# KiCad board AppleII.kicad_pcb (continued)
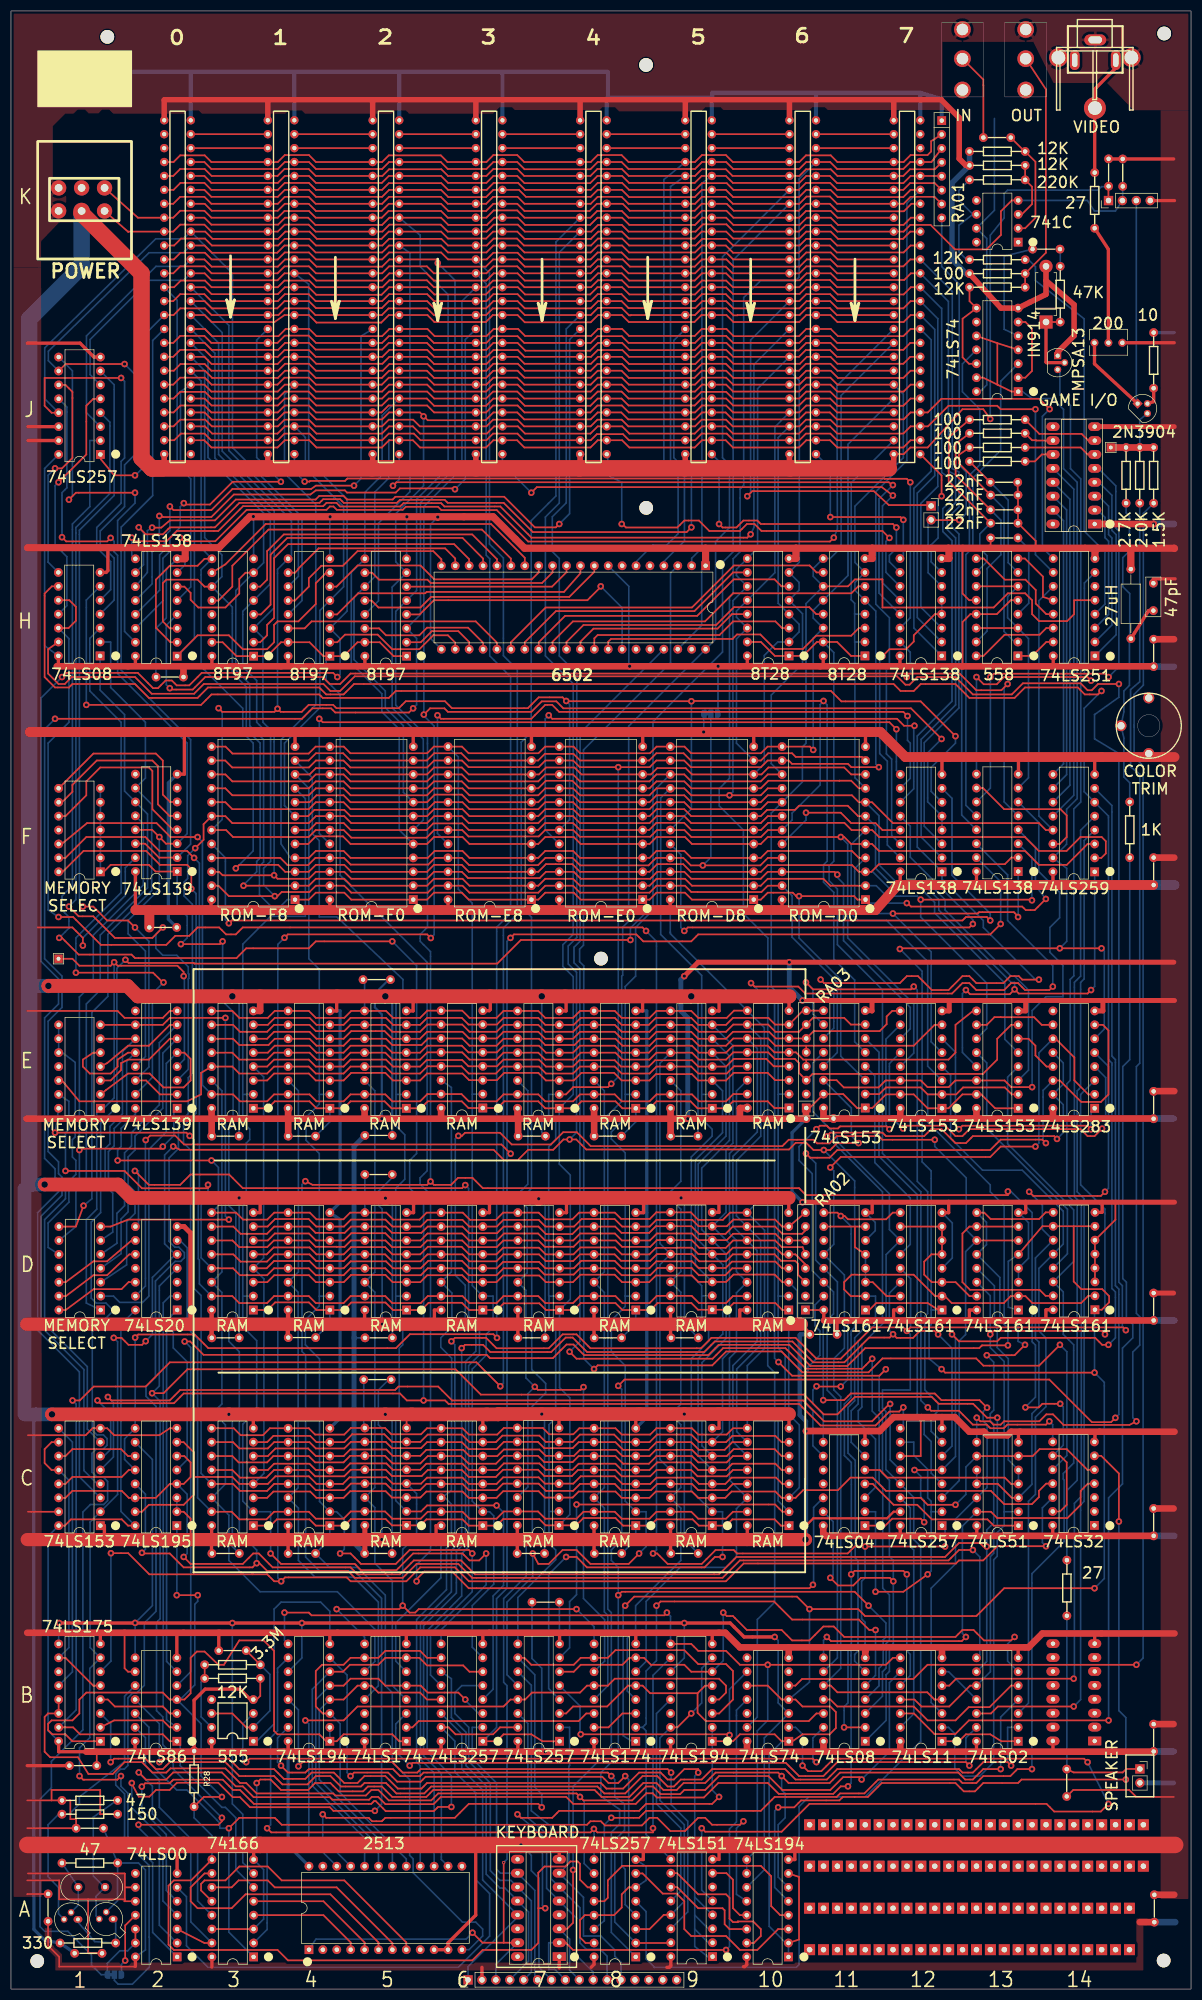
[diagram p0: board, top side]
## Routing (per net, layer and track width the routed paths; a pad name or vN(x,y) marks a point on that pad's centre or on a via; arc(x,y) is an arc through that point) (continued)
SS-PG2_~{PG1}: length 425.7
  Top w0.3: H1.9 7.47,256.11 6.15,254.79 6.15,239.55 8.05,237.64 10.59,237.64 11.23,238.28 22.66,238.28 25.2,235.74 34.09,235.74 35.99,237.64 56.31,237.64 57.58,236.37 60.76,236.37 62.66,238.28 161.21,238.28 162.48,237.01 164.9,237.01 166.17,238.28 172.52,238.28 175.06,235.74 183.31,235.74 185.22,237.64 194.87,237.64 196.14,236.37 198.55,236.37 v1(199.19,237.01) ; v1(166.8,85.24) 166.17,85.88 160.96,85.88 159.69,84.61 C11.1 ; C12.5 v1(165.02,94.77) ; v1(200.46,117.63) 199.31,117.63 198.04,118.9 180.77,118.9 180.14,118.26 173.15,118.26 v1(171.88,119.53)
  Bottom w0.3: v1(199.19,237.01) 196.01,233.83 196.01,218.62 F14.6 200.46,214.17 200.46,169.7 201.09,169.06 201.09,127.91 201.73,127.28 201.73,118.9 v1(200.46,117.63) ; v1(165.02,94.77) 166.17,93.62 166.17,89.81 166.8,89.18 v1(166.8,85.24) ; C12.5 172.52,97.23 172.52,118.9 v1(171.88,119.53)
USER-1: length 214.4
  Top w0.3: SLOT0.39 29.64,308.18 30.91,309.45 35.33,309.45 36.6,308.18 SLOT1.39 48.74,308.18 50.01,309.45 54.38,309.45 55.65,308.18 SLOT2.39 67.79,308.18 69.06,309.45 76.02,309.45 77.29,308.18 SLOT3.39 86.84,308.18 88.11,309.45 92.53,309.45 93.8,308.18 SLOT4.39 105.89,308.18 107.16,309.45 111.53,309.45 112.8,308.18 SLOT5.39 124.94,308.18 126.21,309.45 130.58,309.45 131.85,308.18 SLOT6.39 143.99,308.18 145.26,309.45 149.63,309.45 150.9,308.18 SLOT7.39 ; v1(134.49,272.57) 135.41,273.48 157.61,273.48 160.35,270.94 167.92,270.94 JP-User1.1
  Bottom w0.3: SLOT6.39 135.1,301.09 135.1,273.18 v1(134.49,272.57)
VA: length 311.4
  Top w0.3: v1(168.73,155.07) 159.18,155.07 158.52,155.73 150.85,155.73 149.53,154.41 147.24,154.41 146.58,155.07 142.06,155.07 140.89,153.9 105.89,153.9 103.35,156.44 100.86,156.44 98.63,154.2 91.47,154.2 89.33,156.34 82.93,156.34 82.37,155.78 v1(81.71,155.78) ; D13.11 D13.6
  Bottom w0.3: v1(168.73,155.07) 168.73,153.85 174.47,148.11 174.47,138.61 D13.11 174.37,134.65 174.37,119.51 173.2,118.34 173.2,92.84 C12.3 ; v1(81.71,155.78) 81.15,155.22 81.15,130.33 82.98,128.5 82.98,122.1 84.91,120.17 84.91,116.46 83.03,114.58 83.03,81.61 81.36,79.93 81.36,72.31 75.36,66.32 75.36,42.6 78.61,39.34 78.61,23.65 A5.14
VB: length 228.9
  Top w0.3: v1(169.34,119.53) 168.71,120.17 166.04,120.17 164.77,118.9 161.77,118.9 v1(161.11,119.56) 160.5,118.95 156.74,118.95 152.22,114.43 146.53,114.43 142.72,118.24 128.55,118.24 126.62,116.31 105.23,116.31 102.59,118.95 101.32,118.95 98.68,116.31 87.55,116.31 86.23,117.63 82.93,117.63 v1(82.32,117.02)
  Bottom w0.3: A5.15 77.29,39.45 74.8,41.94 74.8,66.88 80.44,72.52 80.44,80.09 82.32,81.97 v1(82.32,117.02) ; v1(161.11,119.56) 160.45,120.22 160.45,127.08 D12.14 ; C12.6 171.88,99.14 171.88,116.99 v1(169.34,119.53)
VC: length 757.8
  Top w0.3: v1(80.44,118.26) 81.08,118.9 86.79,118.9 88.7,116.99 98.22,116.99 100.76,119.53 103.3,119.53 105.84,116.99 126.03,116.99 127.94,118.9 143.31,118.9 147.12,115.09 151.56,115.09 157.28,120.8 162.99,120.8 v1(163.63,120.17) 164.26,120.8 203.12,120.8 v1(203.63,120.29) ; v1(202.36,238.28) 198.55,238.28 197.41,237.13 196.65,237.13 195.38,238.4 184.84,238.4 182.8,236.37 175.69,236.37 172.52,239.55 165.53,239.55 164.13,238.15 163.37,238.15 161.85,239.67 62.79,239.67 60.12,237.01 58.34,237.01 57.07,238.28 35.23,238.28 33.45,236.5 25.7,236.5 22.66,239.55 11.1,239.55 9.83,238.28 8.69,238.28 6.78,240.18 6.78,244.63 H1.13
  Bottom w0.3: A5.16 74.75,39.75 74.73,39.78 74.73,40.79 74.09,41.43 74.09,67.46 79.55,72.92 79.55,80.54 81.08,82.07 81.08,117.63 v1(80.44,118.26) ; v1(202.36,238.28) 202.36,235.86 197.99,232.74 197.92,232.69 197.92,228.24 197.99,228.22 202.36,225.58 202.36,129.06 203,128.42 203,120.93 v1(203.63,120.29) ; A8.5 116,14.15 116,5.49 117.53,3.96 143.43,3.96 143.94,4.47 143.94,33.3 145.72,35.08 156.01,35.08 166.17,45.24 166.17,80.8 164.9,82.07 164.9,89.76 C12.13 159.82,94.84 159.82,105.44 159.18,106.07 159.18,109.37 164.26,109.37 164.26,119.53 v1(163.63,120.17) 164.31,120.85 164.31,129.72 D12.13
~{7M}: length 212.2
  Top w0.3: v1(155.37,38.25) 154.94,38.68 151.99,38.68 149.66,36.35 140.89,36.35 138.35,38.89 129.34,38.89 126.8,36.35 122.99,36.35 122.22,35.59 118.67,35.59 117.27,36.98 116,36.98 113.46,34.44 104.57,34.44 v1(103.94,35.08) 103.3,35.71 78.03,35.71 76.76,34.44 69.01,34.44 67.11,36.35 65.84,36.35 64.82,35.33 59.23,35.33 58.85,35.71 44.88,35.71 42.98,37.62 41.83,37.62 39.17,40.28 29.13,40.28 28.37,39.52 25.83,39.52 23.93,41.43 20.75,41.43 18.59,39.27 14.15,39.27 12.24,42.32 7.16,42.32 6.15,43.33 6.15,49.68 6.78,50.32 B1.14 B1.13
  Bottom w0.3: v1(155.37,38.25) 160.45,43.33 160.45,55.96 B12.9 ; A8.10 104.7,22.91 104.7,34.32 v1(103.94,35.08)
~{C000-C7FF}: length 55.8
  Top w0.3: H12.4 168.76,251.03 164.9,247.17 164.9,246.02 163.5,244.63 160.45,244.63 v1(159.18,243.36)
  Bottom w0.3: H12.5 H12.4 ; v1(159.18,243.36) 158.67,242.85 158.67,225.58 160.07,224.18 160.07,208.89 F12.15
~{CAS}: length 363
  Top w0.3: F1.1 16.94,203.99 18.21,205.26 25.2,205.26 26.42,204.04 F2.1 ; v1(31.04,190.78) 38.15,190.78 v1(38.66,191.29) ; v1(175.69,80.16) 173.15,80.16 171.25,78.26 133.15,78.26 129.97,75.08 84.25,75.08 81.71,77.62 74.09,77.62 71.55,75.08 62.79,75.08 61.52,76.35 46.79,76.35 45.39,77.75 v1(44.88,77.75) 44.12,76.99 31.55,76.99 29.01,79.53 24.05,79.53 v1(23.93,79.65)
  Bottom w0.3: v1(31.04,190.78) 32.18,191.92 32.18,195.86 30.35,197.69 F2.1 ; v1(23.93,79.65) 24.56,80.29 24.56,90.35 C2.13 ; v1(38.66,191.29) 38.66,180.37 40.56,178.46 40.56,157.76 39.8,157 39.8,143.03 41.07,141.76 41.07,121.31 39.8,120.04 39.8,118.26 41.71,116.36 41.71,83.34 44.88,80.16 v1(44.88,77.75) ; v1(175.69,80.16) 176.96,78.89 176.96,61.09 B13.8 ; F1.7 F1.1
~{CCAS}: length 253.3
  Top w0.3: C3.15 40.31,87.15 41.7,85.76 46.67,85.76 48.06,87.15 C4.15 54.41,87.15 55.68,85.88 60.76,85.88 62.08,87.2 C5.15 68.33,87.2 69.65,85.88 74.85,85.88 76.12,87.15 C6.15 82.47,87.15 83.74,85.88 88.7,85.88 90.02,87.2 C7.15 96.27,87.2 97.59,85.88 103.3,85.88 104.57,87.15 C8.15 110.29,87.15 111.56,85.88 116.64,85.88 117.91,87.15 C9.15 124.26,87.15 125.53,85.88 130.61,85.88 131.88,87.15 C10.15 ; F1.14 9.45,203.99 13.26,207.8 24.69,207.8 27.23,205.26 32.18,205.26 32.94,204.5 v1(32.94,200.89)
  Bottom w0.3: C3.15 34.09,89.71 34.09,118.77 32.82,120.04 32.82,153.19 31.52,154.48 31.52,157.61 33.81,159.89 33.81,200.02 v1(32.94,200.89)
~{CLR_STB}: length 230.2
  Top w0.3: v1(135.18,183.67) 135.81,183.03 143.81,183.03 145.08,181.76 171.88,181.76 173.79,183.67 175.06,183.67 176.33,182.4 181.41,182.4 182.68,183.67 183.95,183.67 185.22,182.4 189.66,182.4 v1(190.3,183.03)
  Bottom w0.3: v1(135.18,183.67) 138.23,180.62 138.23,113.82 139.5,112.55 139.5,70.64 136.32,67.46 136.32,49.66 B10.13 ; F13.14 182.04,203.43 182.04,195.1 190.3,186.84 v1(190.3,183.03)
~{DCAS}: length 214.6
  Top w0.3: D3.15 40.44,126.52 41.71,125.25 46.79,125.25 48.06,126.52 D4.15 54.41,126.52 55.68,125.25 60.76,125.25 62.03,126.52 D5.15 68.38,126.52 69.65,125.25 74.85,125.25 76.12,126.52 D6.15 82.47,126.52 83.74,125.25 88.7,125.25 89.97,126.52 D7.15 96.32,126.52 97.59,125.25 102.67,125.25 103.94,126.52 D8.15 110.41,126.52 111.68,125.25 116.64,125.25 117.96,126.57 D9.15 124.33,126.57 125.65,125.25 130.61,125.25 131.88,126.52 D10.15 ; F1.13 9.96,206.53 13.77,210.34 24.56,210.34 27.1,207.8 32.18,207.8 v1(33.45,206.53)
  Bottom w0.3: v1(33.45,206.53) 34.42,205.56 34.42,144.06 34.22,143.87 34.22,133.32 34.42,133.13 34.42,128.75 D3.15
~{DEV-SEL-0}: length 61.5
  Bottom w0.3: H2.15 20.75,247.88 20.75,263.02 20.14,263.63 20.14,266.93 25.88,272.67 25.88,300.99 SLOT0.41
~{DEV-SEL-1}: length 76.6
  Top w0.3: v1(31.57,271.3) 31.83,271.04 36.35,271.04 40.51,275.21 v1(49.3,275.21)
  Bottom w0.3: v1(31.57,271.3) 30.91,270.64 30.91,266.88 29.03,265 29.03,262.51 27.76,261.24 27.76,253.47 H2.14 ; v1(49.3,275.21) 44.88,279.63 44.88,301.07 SLOT1.41
~{DEV-SEL-2}: length 88.3
  Top w0.3: v1(29.03,270.69) 29.69,270.03 36.6,270.03 40.46,273.89 54.84,273.89 55.7,274.5 v1(62.66,274.5)
  Bottom w0.3: v1(29.03,270.69) 29.03,266.27 28.02,265.25 28.02,262.71 27.15,261.85 27.15,255.4 H2.13 ; v1(62.66,274.5) 63.93,275.77 63.93,301.78 SLOT2.41
~{DEV-SEL-3}: length 104.6
  Top w0.3: v1(81.1,273.84) 80.59,273.99 71.04,273.99 70.28,273.23 61.39,273.23 60.99,273.63 55.7,273.63 54.69,272.87 40.72,272.87 36.6,268.76 27.81,268.76 v1(27.1,268.96)
  Bottom w0.3: H2.12 25.78,256.57 25.78,262.36 27.1,263.68 v1(27.1,268.96) ; SLOT3.41 82.98,301.17 82.98,275.72 v1(81.1,273.84)
~{DEV-SEL-4}: length 129
  Top w0.3: v1(100.15,267.49) 99.54,266.88 95.68,266.88 90.09,272.47 70.23,272.47 69.72,271.96 61.39,271.96 60.73,272.62 56.31,272.62 55.65,271.96 41.07,271.96 37.26,268.15 29.03,268.15 27.46,266.83 v1(25.78,266.83)
  Bottom w0.3: SLOT4.41 102.03,301.17 102.03,269.37 v1(100.15,267.49) ; H2.11 24.92,258.65 24.92,266.27 v1(25.78,266.83)
~{DEV-SEL-5}: length 155.1
  Top w0.3: v1(124.28,266.88) 123.42,266.01 95.33,266.01 89.99,271.35 79.78,271.35 79.22,271.91 71.04,271.91 70.48,271.35 60.78,271.35 60.12,272.01 57.02,272.01 56.36,271.35 41.73,271.35 37.26,266.88 29.03,266.88 27.76,265.61 24.61,265.61 v1(23.34,266.88)
  Bottom w0.3: H2.10 24.21,260.07 24.21,266.01 v1(23.34,266.88) ; SLOT5.41 121.08,301.02 121.08,279.58 124.28,276.38 v1(124.28,266.88)
~{DEV-SEL-6}: length 164
  Top w0.3: v1(135.1,265.61) 134.49,265 95.07,265 89.38,270.69 79.17,270.69 78.56,271.3 71.7,271.3 71.09,270.69 60.12,270.69 59.46,271.35 57.63,271.35 57.02,270.74 42.39,270.74 37.87,266.22 30.3,266.22 28.42,264.34 22.73,264.34 v1(22.07,265)
  Bottom w0.3: SLOT6.41 135.71,296.62 135.71,266.88 v1(135.1,265.61) ; v1(22.07,265) 22.07,261.8 H2.9
~{DEV-SEL-7}: length 175.6
  Top w0.3: v1(150.29,265) 149.58,264.29 94.46,264.29 88.72,270.03 78.61,270.03 78,270.64 72.11,270.64 71.55,270.08 59.51,270.08 58.9,270.69 58.24,270.69 57.63,270.08 43.05,270.08 37.31,264.34 31.57,264.34 v1(30.91,265)
  Bottom w0.3: v1(150.29,265) 150.95,266.57 150.85,292.33 150.85,292.71 SLOT7.41 ; H2.7 31.78,260.02 31.78,264.13 v1(30.91,265)
~{DMA}: length 499.2
  Top w0.3: v1(159.79,113.16) 158.62,111.99 142.67,111.99 v1(140.18,114.48) ; SLOT0.22 35.33,333.58 36.6,332.31 48.74,332.31 50.01,333.58 SLOT1.22 54.43,333.58 55.7,332.31 67.79,332.31 69.06,333.58 78.51,333.58 79.78,332.31 86.84,332.31 88.11,333.58 SLOT3.22 92.48,333.58 93.8,332.26 105.84,332.26 107.16,333.58 SLOT4.22 111.53,333.58 112.8,332.31 124.94,332.31 126.21,333.58 SLOT5.22 130.63,333.58 131.9,332.31 143.99,332.31 145.26,333.58 SLOT6.22 149.63,333.58 150.9,332.31 162.99,332.31 164.26,333.58 SLOT7.22 168.12,333.58 RA01.3 ; v1(149.66,75.08) 151.05,73.69 153.85,73.69 155.24,75.08 160.53,75.08 v1(161.16,74.45)
  Bottom w0.3: v1(149.66,75.08) 150.16,75.59 150.16,85.34 C11.13 ; v1(140.18,114.48) 139.47,115.19 139.47,181.08 138.25,182.3 138.25,191.9 133.78,196.37 133.78,211.61 129.36,216.03 129.36,219.18 131.24,221.06 131.24,254.13 131.9,254.79 131.9,261.14 133.17,262.41 133.17,273.89 133.83,274.55 133.83,308.84 136.93,311.94 143.33,311.94 143.94,312.55 143.94,330.48 SLOT6.22 ; v1(159.79,113.16) 158.57,111.94 158.57,105.64 159.18,105.03 159.18,94.16 160.45,92.89 160.45,78.97 161.16,78.26 v1(161.16,74.45) 161.16,63.07 160.45,62.36 160.45,57.99 159.84,57.38 159.84,49.05 B11.1
~{ECAS}: length 181.1
  Top w0.3: v1(34.09,210.34) 29.13,210.34 26.59,212.88 13.89,212.88 9.58,209.32 F1.12 ; E3.15 40.56,163.35 41.83,162.08 46.79,162.08 48.06,163.35 E4.15 54.53,163.35 55.8,162.08 60.76,162.08 62.03,163.35 E5.15 68.38,163.35 69.65,162.08 74.73,162.08 76.05,163.4 E6.15 82.3,163.4 83.62,162.08 88.7,162.08 89.97,163.35 E7.15 96.32,163.35 97.59,162.08 102.67,162.08 103.94,163.35 E8.15 110.29,163.35 111.56,162.08 116.64,162.08 117.91,163.35 E9.15 124.38,163.35 125.65,162.08 130.61,162.08 131.93,163.4 E10.15
  Bottom w0.3: v1(34.09,210.34) 34.98,209.45 34.98,165.02 E3.15
~{INH}: length 615.1
  Top w0.3: RA01.7 168.68,327.23 164.31,327.23 163.04,325.96 SLOT7.32 150.9,325.96 149.58,327.28 145.31,327.28 143.99,325.96 SLOT6.32 131.85,325.96 130.58,327.23 126.21,327.23 124.94,325.96 SLOT5.32 112.8,325.96 111.53,327.23 107.16,327.23 105.89,325.96 SLOT4.32 93.8,325.96 92.53,327.23 88.06,327.23 86.79,325.96 SLOT3.32 79.78,325.96 78.51,327.23 69.06,327.23 67.79,325.96 SLOT2.32 55.65,325.96 54.38,327.23 50.01,327.23 48.74,325.96 SLOT1.32 36.6,325.96 35.33,327.23 30.91,327.23 29.64,325.96 SLOT0.32 ; v1(113.15,191.54) 93.14,191.54 88.82,187.22 33.5,187.22 33.38,187.34 21.49,187.34 v1(20.9,187.92) ; A2.12 A2.13
  Bottom w0.3: v1(20.9,187.92) 19.35,186.37 19.35,161.08 16.38,158.11 16.38,141.76 14.66,140.03 14.66,126.16 15.57,125.25 17.35,125.25 18.72,123.88 14.85,120 14.85,102.04 15.72,101.17 16.89,101.17 17.55,100.51 17.55,99.29 16.84,98.58 15.57,98.58 14.81,97.82 14.81,94.36 15.67,93.5 16.84,93.5 17.65,92.68 17.65,89.18 16.95,88.47 14.5,88.47 13.13,87.1 13.13,47.32 7.39,41.58 7.39,36.75 5.31,34.67 5.31,11.4 6.17,10.54 10.39,10.54 14.71,6.22 14.71,4.39 16.48,2.62 JP1.1 17.59,4.69 19.89,6.99 21.31,6.99 A2.13 ; v1(113.15,191.54) 113.15,193.72 117.27,197.84 117.27,231.42 129.97,244.12 129.97,260.48 131.9,262.41 131.9,315.67 SLOT6.32
~{IO-SELECT-1}: length 144.3
  Top w0.3: v1(53.64,275.23) 54.53,275.23 54.66,275.36 61.01,275.36 61.45,275.8 159.56,275.8 159.61,275.75 163.62,275.75 v1(164.26,275.11)
  Bottom w0.3: H12.14 164.26,250.37 v1(164.26,275.11) ; SLOT1.1 51.77,277.11 v1(53.64,275.23)
~{IO-SELECT-2}: length 124.2
  Top w0.3: v1(69.77,274.47) 70.41,275.11 160.32,275.11 v1(161.09,274.6)
  Bottom w0.3: H12.13 158.55,254.86 158.55,272.06 v1(161.09,274.6) ; v1(69.77,274.47) 70.92,275.62 70.92,280.24
~{IO-SELECT-3}: length 97.4
  Top w0.3: v1(161.09,272.69) 159.05,274.22 96.06,274.22 v1(95.05,273.2)
  Bottom w0.3: SLOT3.1 89.76,278.49 v1(95.05,273.2) ; H12.12 159.18,256.77 159.18,270.79 v1(161.09,272.69)
~{IO-SELECT-4}: length 76.6
  Top w0.3: v1(160.45,264.95) 159.18,266.22 137.08,266.22 135.81,267.49 134.42,267.49 133.15,266.22 127.56,266.22 125.65,268.12 122.99,268.12 121.72,266.85 112.32,266.85 111.68,267.49 v1(111.56,267.49)
  Bottom w0.3: v1(160.45,264.95) 159.82,264.31 159.82,258.67 H12.11 ; v1(111.56,267.49) 111.56,275.11 109.02,276.38 109.02,280.06 108.84,280.24 SLOT4.1
~{IO-SELECT-5}: length 56.5
  Top w0.3: v1(161.72,266.85) 161.09,267.49 136.96,267.49 136.32,268.12 133.78,268.12 132.51,266.85 129.97,266.85 v1(129.34,267.49)
  Bottom w0.3: v1(129.34,267.49) 129.34,278.92 SLOT5.1 ; v1(161.72,266.85) 161.72,263.04 160.45,261.77 160.45,260.58 H12.10
~{IO-SELECT-6}: length 33.4
  Top w0.3: v1(149.66,268.76) 162.48,268.76 v1(162.99,268.25)
  Bottom w0.3: SLOT6.1 149.66,277.62 v1(149.66,268.76) ; v1(162.99,268.25) 162.99,261.8 H12.9
~{IO-SELECT-7}: length 24.8
  Top w0.3: SLOT7.1 169.98,276.35 v1(169.98,272.57)
  Bottom w0.3: H12.7 168.07,260.58 168.07,263.68 169.34,264.95 169.34,271.93 v1(169.98,272.57)
~{IO_STB}: length 265.9
  Top w0.3: SLOT7.20 164.31,328.5 162.99,327.18 151,327.18 149.68,328.5 SLOT6.20 145.26,328.5 143.94,327.18 131.9,327.18 130.58,328.5 SLOT5.20 126.21,328.5 124.89,327.18 112.9,327.18 111.58,328.5 SLOT4.20 107.16,328.5 105.89,327.23 94.06,327.23 92.79,328.5 SLOT3.20 88.11,328.5 86.79,327.18 79.88,327.18 78.56,328.5 69.06,328.5 67.79,327.23 55.7,327.23 54.43,328.5 SLOT1.20 50.01,328.5 48.74,327.23 36.6,327.23 35.33,328.5 SLOT0.20
  Bottom w0.3: SLOT7.20 163.65,326.06 163.65,279.07 157.96,273.38 157.96,252.86 160.45,250.37 160.45,241.53 159.89,240.97 159.89,225.53 160.86,224.56 160.86,210.64 F12.14
~{IRQ}: length 225.4
  Top w0.3: SLOT0.30 29.64,331.04 30.91,332.31 35.38,332.31 36.65,331.04 SLOT1.30 48.69,331.04 49.96,332.31 54.38,332.31 55.65,331.04 SLOT2.30 67.84,331.04 69.06,332.26 78.61,332.26 79.83,331.04 SLOT3.30 86.84,331.04 88.11,332.31 92.48,332.31 93.75,331.04 SLOT4.30 105.84,331.04 107.11,332.31 111.58,332.31 112.85,331.04 SLOT5.30 124.94,331.04 126.16,332.26 130.58,332.26 131.8,331.04 SLOT6.30 143.99,331.04 145.21,332.26 149.73,332.26 150.95,331.04 SLOT7.30 162.99,331.04 164.21,332.26 168.73,332.26 RA01.4
  Bottom w0.3: SLOT5.30 120.47,329.11 120.47,278.87 123.01,276.33 123.01,264.39 119.25,260.63 H7.4
~{KBD}: length 367.8
  Top w0.3: v1(24.61,155.02) 25.43,155.83 30,155.83 31.62,154.2 89.59,154.2 v1(91.26,152.53) ; v1(91.24,191.92) 91.87,192.56 114.22,192.56 115.49,191.29 124.26,191.29 125.53,192.56 178.87,192.56 v1(180.77,194.46) ; B7.1 97.08,45.24 95.05,46.51 89.97,46.51 88.7,45.24 B6.1
  Bottom w0.3: D2.13 24.56,128.35 24.56,154.97 v1(24.61,155.02) ; v1(180.77,194.46) 180.77,202.16 F13.15 ; 90.6,151.87 90.6,191.29 v1(91.24,191.92) ; 90.6,151.87 v1(91.26,152.53) ; 90.6,151.87 90.6,73.18 88.7,71.27 88.7,47.75 B6.1
~{LDPS}: length 332.6
  Top w0.3: A2.3 35.33,8.41 A3.15 ; D14.2 196.77,126.57 195.45,125.25 186.56,125.25 185.29,126.52 D13.2 182.6,126.52 181.33,125.25 171.83,125.25 170.56,126.52 D12.2 168.78,126.52 164.87,130.43 153.54,130.43 152.17,129.06 152.17,127.74 153.39,126.52 D11.2 ; v1(23.34,39.55) 24.66,38.23 28.32,38.23 29.64,39.55 38.53,39.55 41.07,37.01 42.34,37.01 44.32,35.03 58.24,35.03 58.7,34.57 65.41,34.57 65.91,35.08 67.08,35.08 68.4,33.76 77.19,33.76 78.51,35.08 101.42,35.08 102.69,33.81 114.12,33.81 116.05,35.74 117.22,35.74 117.98,34.98 126.57,34.98 129.21,37.62 138.25,37.62 140.23,35.64 150.19,35.64 151.56,37.01 v1(152.88,37.01)
  Bottom w0.3: A3.15 32.84,12.27 32.84,24.97 25.83,31.98 25.83,37.06 v1(23.34,39.55) ; v1(152.88,37.01) 153.44,37.57 153.44,61.75 154.71,63.02 154.71,78.21 154.2,78.71 154.2,96.55 152.88,97.87 152.88,106.2 154.1,107.42 154.1,118.9 157.91,122.71 157.91,126.52 D11.2
~{NMI}: length 233.6
  Top w0.3: RA01.2 168.78,337.85 168.07,337.39 168.07,335.51 167.41,334.85 164.31,334.85 163.04,333.58 SLOT7.29 150.95,333.58 149.73,334.8 145.21,334.8 143.99,333.58 SLOT6.29 131.85,333.58 130.58,334.85 126.21,334.85 124.94,333.58 SLOT5.29 112.8,333.58 111.53,334.85 107.16,334.85 105.89,333.58 SLOT4.29 93.75,333.58 92.48,334.85 88.11,334.85 86.84,333.58 SLOT3.29 79.73,333.58 78.51,334.8 69.01,334.8 67.79,333.58 SLOT2.29 55.7,333.58 54.43,334.85 50.01,334.85 48.74,333.58 SLOT1.29 36.6,333.58 35.38,334.8 30.91,334.8 29.69,333.58 SLOT0.29
  Bottom w0.3: SLOT5.29 119.25,330.38 119.25,278.92 121.84,276.33 121.84,265.71 119.76,263.63 117.22,263.63 114.17,260.58 H7.6
~{RAM_SEL}: length 127.6
  Top w0.3: B6.15 79.93,47.78 81.2,46.51 88.06,46.51 89.33,47.78 B7.15
  Bottom w0.3: A2.6 32.05,16.87 32.05,7.9 35.99,3.96 81.71,3.96 87.43,9.68 87.43,17.42 84.89,19.96 84.89,35.84 81.08,39.65 81.08,45.26 B6.15
~{RAS}: length 514.5
  Top w0.3: v1(103.3,69.37) 74.47,69.37 73.84,68.73 72.82,68.73 v1(71.55,70) 70.92,69.37 v1(59.49,69.37) ; 33.45,93.5 33.45,90.32 31.55,88.42 25.2,88.42 23.93,87.15 C2.15 ; 33.45,93.5 40.44,93.5 41.71,92.23 C3.4 46.91,92.23 48.3,93.62 54.41,93.62 55.8,92.23 C4.4 60.63,92.23 61.83,93.43 68.57,93.43 69.72,92.28 C5.4 74.9,92.28 76,93.38 82.47,93.38 83.62,92.23 C6.4 88.7,92.23 89.9,93.43 96.39,93.43 97.54,92.28 C7.4 102.72,92.28 104.06,93.62 110.29,93.62 111.68,92.23 C8.4 116.76,92.23 117.91,93.38 124.5,93.38 125.65,92.23 C9.4 130.48,92.23 131.63,93.38 139.74,93.38 140.89,92.23 C10.4 ; 33.45,93.5 33.45,97.94 31.55,99.85 C2.7 ; D3.4 46.71,131.6 48.03,132.92 54.53,132.92 55.85,131.6 D4.4 60.78,131.6 62.05,132.87 68.5,132.87 69.77,131.6 D5.4 74.85,131.6 76.23,132.97 82.37,132.97 83.74,131.6 D6.4 88.72,131.6 89.87,132.75 93.78,132.75 93.8,132.77 96.44,132.77 97.61,131.6 D7.4 102.79,131.6 104.17,132.97 110.26,132.97 111.63,131.6 D8.4 116.61,131.6 117.88,132.87 124.38,132.87 125.6,131.65 D9.4 130.53,131.65 131.7,132.82 139.62,132.82 140.84,131.6 D10.4 ; E3.4 46.79,168.43 48.06,169.7 54.41,169.7 55.68,168.43 E4.4 60.76,168.43 62.03,169.7 68.5,169.7 69.77,168.43 E5.4 74.73,168.43 75.93,169.63 82.42,169.63 83.57,168.48 E6.4 88.75,168.48 89.97,169.7 96.44,169.7 97.71,168.43 E7.4 102.67,168.43 103.82,169.58 110.28,169.58 111.43,168.43 E8.4 116.51,168.43 117.66,169.58 124.38,169.58 125.53,168.43 E9.4 130.61,168.43 132,169.82 137.97,169.82 139.32,168.48 E10.4
  Bottom w0.3: v1(71.55,70) 71.55,80.29 74.09,82.83 74.09,90.45 C5.4 ; C3.4 46.2,94.16 46.2,129.67 D3.4 46.15,133.48 46.15,166.55 E3.4 ; v1(103.3,69.37) 106.5,66.17 B8.9 ; B5.9 64.59,64.26 v1(59.49,69.37)
~{RESET}: length 498.5
  Top w0.3: A7.3 101.57,11 102.67,12.09 v1(102.67,21.74) ; SLOT0.31 29.69,328.5 30.96,329.77 35.33,329.77 36.6,328.5 SLOT1.31 48.74,328.5 50.01,329.77 54.43,329.77 55.7,328.5 SLOT2.31 67.79,328.5 69.01,329.72 78.61,329.72 79.83,328.5 SLOT3.31 86.89,328.5 88.16,329.77 92.63,329.77 93.9,328.5 SLOT4.31 105.89,328.5 107.16,329.77 111.63,329.77 112.9,328.5 SLOT5.31 124.99,328.5 126.21,329.72 130.73,329.72 131.95,328.5 SLOT6.31 143.94,328.5 145.21,329.77 149.63,329.77 150.9,328.5 SLOT7.31 162.99,328.5 164.21,329.72 168.73,329.72 RA01.6
  Bottom w0.3: J3.9 102.03,3.45 102.03,9.12 A7.3 ; v1(102.67,21.74) 102.67,36.98 109.65,43.97 109.65,68.73 109.02,69.37 109.02,159.54 111.56,162.08 111.56,184.94 111.73,185.12 111.73,193.88 112.83,194.97 112.83,230.58 H7.40 128.7,246.46 128.7,264.29 131.24,266.83 131.24,278.31 129.97,279.58 129.97,316.28 SLOT6.31
Net-(A2-Pad2): length 377.7
  Top w0.3: v1(25.78,108.79) 27.86,108.79 32.23,113.16 81.2,113.16 85.83,108.53 144.86,108.53 148.46,104.93 150.95,104.93 154.15,108.13 168.17,108.13 169.44,106.86 175.74,106.86 178.28,104.32 v1(180.16,104.32) ; v1(38.53,31.27) 38.53,30.63 37.9,30 v1(23.29,30) ; B13.10 175.18,55.4 171.37,51.59 166.29,51.59 165.02,52.86 B12.11
  Bottom w0.3: v1(180.16,104.32) 180.16,84.61 179.5,83.95 179.5,79.58 178.89,78.97 178.89,57.94 B13.10 ; v1(23.29,30) 23.29,29.49 27.1,25.68 27.1,11.66 A2.2 ; v1(38.53,31.27) 29.64,40.16 29.64,42.7 27.74,44.6 27.74,49.68 26.59,50.83 26.59,66.95 27.23,67.59 27.23,107.34 v1(25.78,108.79) 27.1,110.11 27.1,128.35 D2.4
Net-(A2-Pad5): length 278.7
  Top w0.3: v1(80.44,33.25) 78,33.25 77.24,32.49 68.45,32.49 66.62,34.32 66.32,34.32 65.81,33.81 44.37,33.81 41.83,36.35 40.56,36.35 38.68,38.23 29.64,38.23 28.98,37.57 24.51,37.57 v1(23.9,36.96) ; v1(22.63,149.38) 25.17,146.84 30.91,146.84 32.79,148.72 39.85,148.72 42.34,146.23 82.42,146.23 v1(82.98,146.79)
  Bottom w0.3: D2.8 23.29,139.78 23.29,149.38 v1(22.63,149.38) ; v1(23.9,36.96) 23.9,32.69 28.37,28.22 28.37,18.01 A2.5 ; v1(80.44,33.25) 80.44,38.94 76.02,43.36 76.02,65.46 82.32,71.75 82.32,79.48 83.59,80.75 83.59,113.82 85.57,115.8 85.57,120.88 83.59,122.86 83.59,146.18 v1(82.98,146.79)
Net-(A3-C): length 21.1
  Top w0.3: A5.4 62.05,8.51 57.07,13.49 A3.4
Net-(A3-D): length 24.7
  Top w0.3: A3.5 57.07,16.03 64.59,8.51 A5.5
Net-(A3-E): length 48.3
  Top w0.3: A5.6 67.13,8.51 58.34,17.3 42.85,17.3 40.31,14.76 34.09,14.76 32.82,16.03 32.82,18.57 35.36,21.11 A3.10
Net-(A3-F): length 39.4
  Top w0.3: A3.11 40.31,18.57 41.58,19.84 46.91,19.84 48.18,18.57 59.49,18.57 69.67,8.38 A5.7
Net-(A3-G): length 49.9
  Top w0.3: A3.12 34.72,18.01 34.72,19.2 35.36,19.84 39.17,19.84 41.71,22.38 46.91,22.38 49.45,19.84 60.88,19.84 72.21,8.51 A5.8
Net-(A3-Qh): length 40.1
  Bottom w0.3: A3.13 34.09,16.1 34.09,26.19 27.1,33.17 27.1,38.25 24.56,40.79 24.56,45.9 B2.13
Net-(A7-STROBE): length 88.9
  Top w0.3: A7.2 101.35,8.46 102.67,7.14 v1(130.61,7.14)
  Bottom w0.3: J3.8 99.36,3.58 98.22,3.58 98.22,8.41 98.27,8.46 A7.2 ; v1(130.61,7.14) 131.24,7.77 131.24,29.24 132.51,30.51 132.51,50.93 B10.11